# Altium PCB EL2086.PcbDoc (part 1 of 4) (continued)
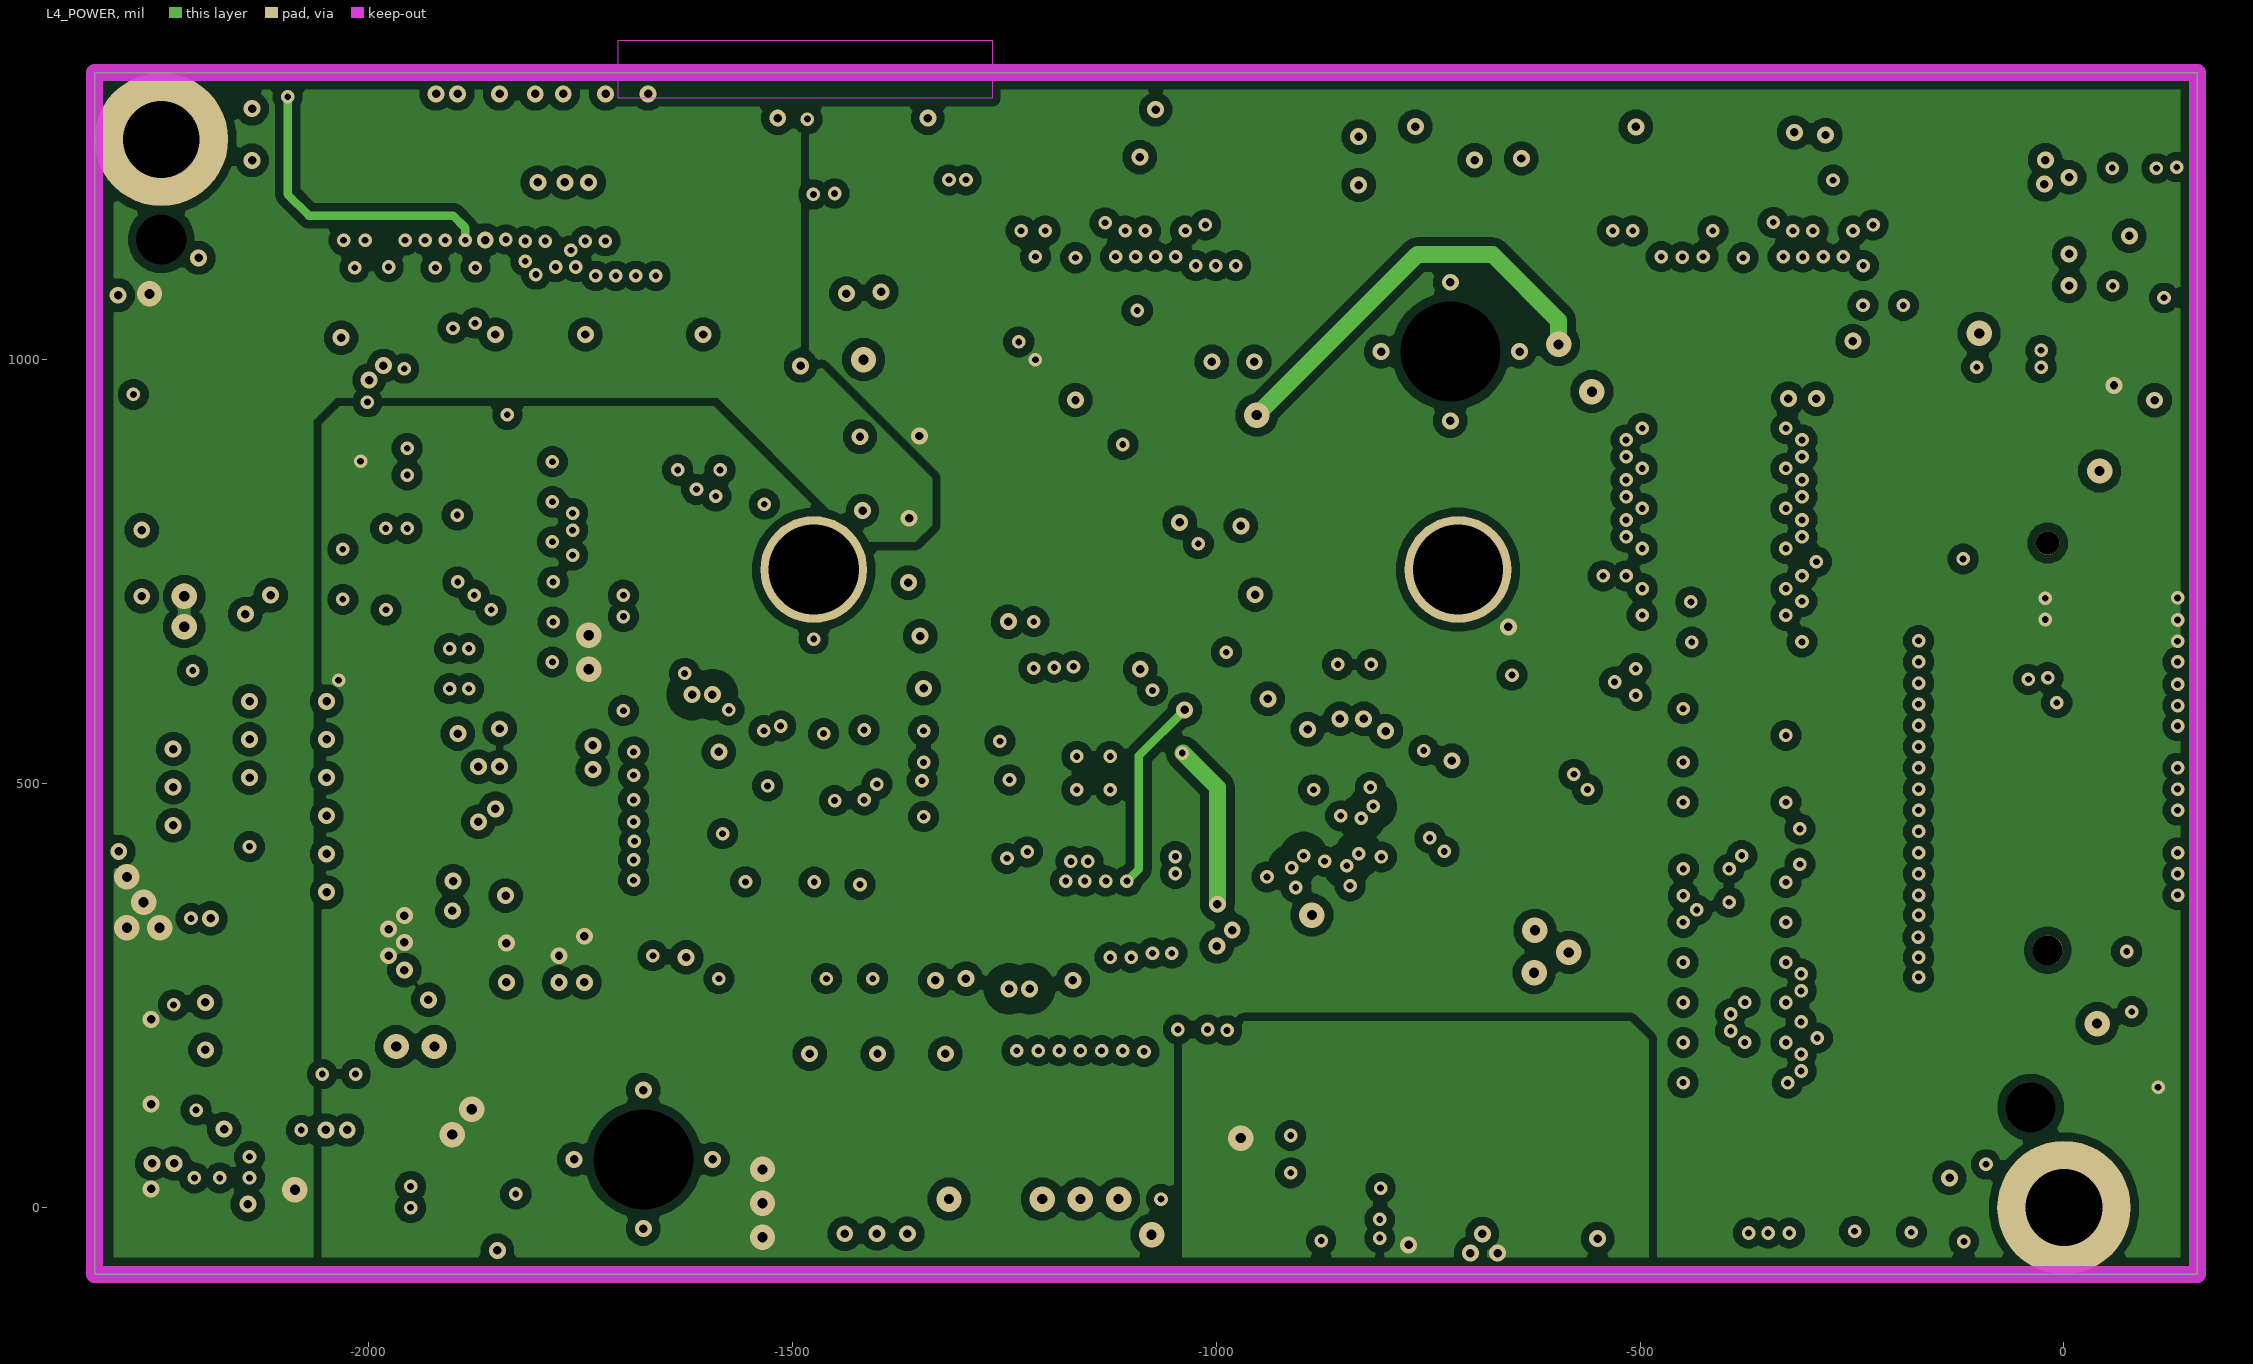
[diagram p4: L4_POWER]
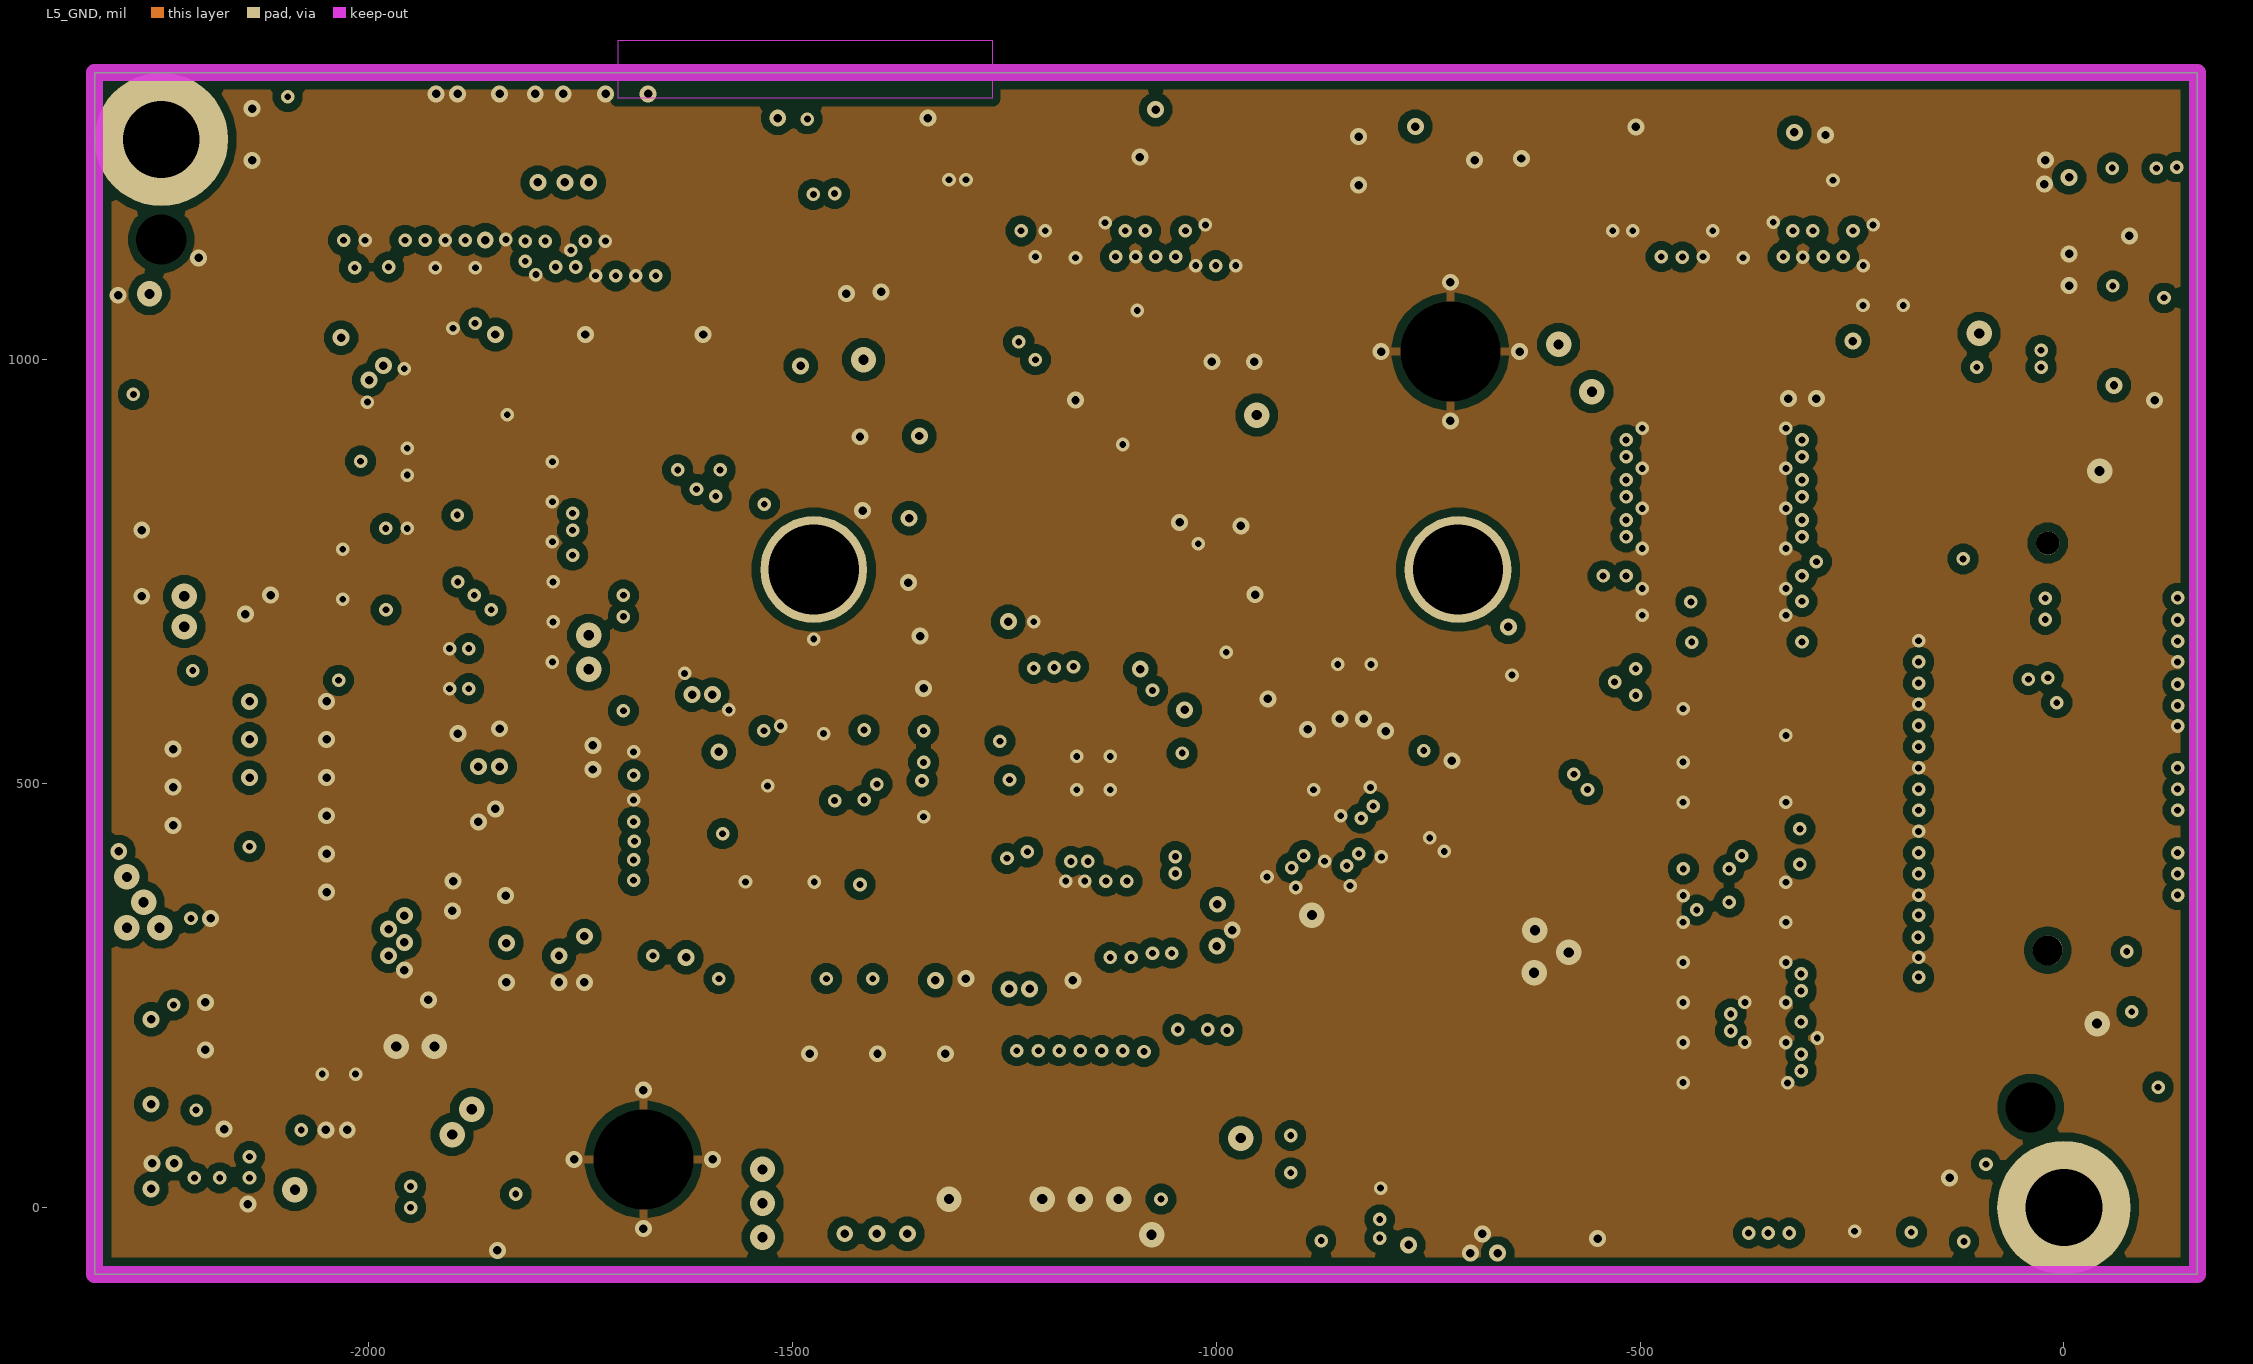
[diagram p5: L5_GND]

## Layer stack, top to bottom
Top Mask: solder mask 0.7, Solder Resist, Dk 3.8
L1_TOP: signal copper 1.4
Dielectric 1: prepreg 3, 2313, Dk 4.05
L2_GND: plane copper 1.3, net GND
Core 1: core 4, FR-4, Dk 4.5
L3_HS: signal copper 1.3
core3: prepreg 39.6, 2116, Dk 4.25
L4_POWER: signal copper 1.3
Core 2: core 4, FR-4, Dk 4.5
L5_GND: signal copper 1.3
Dielectric 3: prepreg 3, 2313, Dk 4.05
L6_BOT: signal copper 1.4
Bottom Mask: solder mask 0.7, Solder Resist, Dk 3.8

## Board outline
-2322.83,-78.74 157.48,-78.74 157.48,1338.58 -2322.83,1338.58

## Design rules (kind name [scope] priority, off if disabled: settings)
AssemblyTestPointUsage [All] p1: valid=2
BoardOutlineClearance [All] p1: gap=15 ignorepadtopadclearanceinfootprint=FALSE
Clearance BGA [WithinRoom('j6') or WithinRoom('j4') or WithinRoom('j10') or WithinRoom('J9') or WithinRoom('U2')  or WithinRoom('j7') or WithinRoom('j5') OR WithinRoom('U_BTB_CONN') OR WithinRoom('U_DOT_LED')OR WithinRoom('U_RIGHT_CCM') OR WithinRoom('U_TOF_VGA')] p1: gap=4 ignorepadtopadclearanceinfootprint=TRUE except(10: Arc-Fill Arc-Poly Arc-Region Track-Fill Track-Poly Track-Region SMDPad-Fill SMDPad-Poly SMDPad-Region THPad-Fill THPad-Poly THPad-Region Via-Fill Via-Poly Via-Region Fill-Fill Fill-Poly Fill-Region Poly-Poly Poly-Region Region-Region)
Clearance "DP to DP" [InAnyDifferentialPair vs InAnyDifferentialPair] p2: gap=20 ignorepadtopadclearanceinfootprint=TRUE
Clearance "DP to other" [InDifferentialPairClass('100ohm') or InDifferentialPairClass('85ohm') vs All and not  InNet('GND') and not InDifferentialPairClass('100ohm') and not InDifferentialPairClass('85ohm')] p3: gap=20 ignorepadtopadclearanceinfootprint=TRUE
Clearance general [All] p4: gap=4 ignorepadtopadclearanceinfootprint=FALSE except(10: Arc-Poly Track-Poly SMDPad-Poly THPad-Poly Via-Poly Fill-Poly Poly-Poly Poly-Region Poly-Text Poly-Hole)
ComponentClearance [All] p1: gap=0 collisioncheckmode=3 verticalgap=11.81 showdistances=FALSE
DiffPairsRouting 85ohm [InDifferentialPairClass('85ohm')] p1: maxlimit=10 minlimit=5 mostfreqgap=10 toplayer_mingap=8 toplayer_maxgap=8 toplayer_prefgap=8 toplayer_minwidth=5 toplayer_maxwidth=5 toplayer_prefwidth=5 midlayer1_mingap=8 midlayer1_maxgap=8 midlayer1_prefgap=8 midlayer1_minwidth=5.5 midlayer1_maxwidth=5.5 midlayer1_prefwidth=5.5 bottomlayer_mingap=8 bottomlayer_maxgap=8 bottomlayer_prefgap=8 bottomlayer_minwidth=5 bottomlayer_maxwidth=5 bottomlayer_prefwidth=5 impedanceprofiledriven=TRUE impedanceprofileid={B513F42C-BCD3-466E-B136-D8CB109C8AC8} impedanceprofilevalue=85.000000 maxuncoupledlength=500
DiffPairsRouting 90ohm [InDifferentialPairClass('USB3')] p2: maxlimit=10 minlimit=5 mostfreqgap=10 toplayer_mingap=8 toplayer_maxgap=8 toplayer_prefgap=8 toplayer_minwidth=3.5 toplayer_maxwidth=3.5 toplayer_prefwidth=3.5 midlayer1_mingap=9 midlayer1_maxgap=9 midlayer1_prefgap=9 midlayer1_minwidth=4 midlayer1_maxwidth=4 midlayer1_prefwidth=4 midlayer2_mingap=5.89 midlayer2_maxgap=5.89 midlayer2_prefgap=5.89 midlayer2_minwidth=5.17 midlayer2_maxwidth=5.17 midlayer2_prefwidth=5.17 midlayer3_minwidth=15 midlayer3_maxwidth=15 midlayer3_prefwidth=15 bottomlayer_mingap=8 bottomlayer_maxgap=8 bottomlayer_prefgap=8 bottomlayer_minwidth=3.5 bottomlayer_maxwidth=3.5 bottomlayer_prefwidth=3.5 maxuncoupledlength=500
DiffPairsRouting 100ohm [InDifferentialPairClass('100ohm')] p3: maxlimit=10.52 minlimit=5 mostfreqgap=10.52 toplayer_mingap=8 toplayer_maxgap=8 toplayer_prefgap=8 toplayer_minwidth=3.5 toplayer_maxwidth=3.5 toplayer_prefwidth=3.5 midlayer1_mingap=9 midlayer1_maxgap=9 midlayer1_prefgap=9 midlayer1_minwidth=4 midlayer1_maxwidth=4 midlayer1_prefwidth=4 bottomlayer_mingap=8 bottomlayer_maxgap=8 bottomlayer_prefgap=8 bottomlayer_minwidth=3.5 bottomlayer_maxwidth=3.5 bottomlayer_prefwidth=3.5 impedanceprofiledriven=TRUE impedanceprofileid={35D093FB-CFA7-4176-BF6F-0D9106C66AB8} impedanceprofilevalue=100.000000 maxuncoupledlength=500
FabricationTestPointUsage [All] p1: valid=2 allowmultiple=FALSE
HoleSize [All] p1: absolutevalues=TRUE maxlimit=150 minlimit=7.95 maxpercent=80.000 minpercent=20.000
HoleToHoleClearance [All] p1: gap=10 allowstackedmicrovias=FALSE
MatchedLengths ETH_GROUP [InNetClass('ETH')] p1: tolerance=1000 checknetsindiffpair=FALSE checkdiffpairvsdiffpair=TRUE checkxsignals=TRUE checkothers=TRUE usedelayunits=TRUE delaytolerance=50.000000
MatchedLengths DIFF_PAIR_100 [InDifferentialPairClass('All Differential Pairs')] p2: tolerance=1000 checknetsindiffpair=TRUE checkdiffpairvsdiffpair=FALSE checkxsignals=FALSE checkothers=FALSE usedelayunits=TRUE delaytolerance=1.000000
MatchedLengths USB [InxSignalClass('USB')] p3: tolerance=50 checknetsindiffpair=TRUE checkdiffpairvsdiffpair=FALSE checkxsignals=FALSE checkothers=FALSE usedelayunits=TRUE delaytolerance=1.000000
MatchedLengths PCIe_XSIG [InxSignalClass('XSIG_PCIe')] p4: tolerance=3.94 checknetsindiffpair=TRUE checkdiffpairvsdiffpair=FALSE checkxsignals=FALSE checkothers=FALSE usedelayunits=TRUE delaytolerance=0.500000
MatchedLengths SPI [InNetClass('QSPI')] p5: tolerance=1000 checknetsindiffpair=FALSE checkdiffpairvsdiffpair=TRUE checkxsignals=TRUE checkothers=TRUE usedelayunits=TRUE delaytolerance=10.000000
MatchedLengths SDIO [InNetClass('SDIO')] p6: tolerance=1000 checknetsindiffpair=FALSE checkdiffpairvsdiffpair=TRUE checkxsignals=TRUE checkothers=TRUE usedelayunits=TRUE delaytolerance=10.000000
MatchedLengths MIPI_A [InNetClass('MIPI_CAM_A')] p7: tolerance=1000 checknetsindiffpair=FALSE checkdiffpairvsdiffpair=TRUE checkxsignals=TRUE checkothers=TRUE usedelayunits=TRUE delaytolerance=1.000000
MatchedLengths MIPI_B [InNetClass('MIPI_CAM_B')] p8: tolerance=1000 checknetsindiffpair=FALSE checkdiffpairvsdiffpair=TRUE checkxsignals=TRUE checkothers=TRUE usedelayunits=TRUE delaytolerance=1.000000
MatchedLengths MIPI_C [InNetClass('MIPI_CAM_C')] p9: tolerance=1000 checknetsindiffpair=FALSE checkdiffpairvsdiffpair=TRUE checkxsignals=TRUE checkothers=TRUE usedelayunits=TRUE delaytolerance=1.000000
MinimumSolderMaskSliver USB3_Connector [HasFootprint('105450-0101')  OR HasFootprint('CX80B1-24P') OR HasFootprint('TPD4E02B04DQAR')  OR HasFootprint('RTL8111HX-CG')] p1: minsoldermaskwidth=0.1
MinimumSolderMaskSliver RTL8111 [HasFootprint('CX80B1-24P')] p2: minsoldermaskwidth=0.1
MinimumSolderMaskSliver [All] p3: minsoldermaskwidth=2
PlaneClearance [All] p1: clearance=10
PlaneConnect [All] p1: pad.planeconnectstyle=Relief pad.reliefexpansion=20 pad.reliefentries=4 pad.reliefconductorwidth=10 pad.reliefairgap=10 via.planeconnectstyle=Direct via.reliefexpansion=20 via.reliefentries=4 via.reliefconductorwidth=10 via.reliefairgap=10
PolygonConnect DirectConnect [InPolygonClass('DirectConnectPoly')] p1: connectstyle=Direct reliefconductorwidth=10 reliefentries=4 polygonreliefangle="90 Angle" airgapwidth=10
PolygonConnect OuterLayerGND_PolyClass [InPolygonClass('OuterLayerGND')] p2: thpad.connectstyle=Relief thpad.reliefconductorwidth=10 thpad.reliefentries=4 thpad.polygonreliefangle="90 Angle" thpad.airgapwidth=10 smdpad.connectstyle=Relief smdpad.reliefconductorwidth=10 smdpad.reliefentries=4 smdpad.polygonreliefangle="90 Angle" smdpad.airgapwidth=10 via.connectstyle=Direct via.reliefconductorwidth=10 via.reliefentries=4 via.polygonreliefangle="90 Angle" via.airgapwidth=10
PolygonConnect PoE_Poly [InPolygonClass('PoE_Poly')] p3: thpad.connectstyle=Direct thpad.reliefconductorwidth=10 thpad.reliefentries=4 thpad.polygonreliefangle="90 Angle" thpad.airgapwidth=10 smdpad.connectstyle=Relief smdpad.reliefconductorwidth=10 smdpad.reliefentries=4 smdpad.polygonreliefangle="90 Angle" smdpad.airgapwidth=10 via.connectstyle=Direct via.reliefconductorwidth=10 via.reliefentries=4 via.polygonreliefangle="90 Angle" via.airgapwidth=10
PolygonConnect Default [All] p4: thpad.connectstyle=Relief thpad.reliefconductorwidth=10 thpad.reliefentries=4 thpad.polygonreliefangle="90 Angle" thpad.airgapwidth=10 smdpad.connectstyle=Relief smdpad.reliefconductorwidth=10 smdpad.reliefentries=4 smdpad.polygonreliefangle="90 Angle" smdpad.airgapwidth=10 via.connectstyle=Direct via.reliefconductorwidth=10 via.reliefentries=4 via.polygonreliefangle="90 Angle" via.airgapwidth=10
RoomDefinition J5 [InComponentClass('Room Definition3') vs False] p1: confinementstyle=ConfineIn formatcopy=TRUE lockcomponents=FALSE outline -2025,-62.65 -2025,1127.74 -1740,1127.74 -1740,-62.65
RoomDefinition J6 [InComponentClass('Room Definition2') vs False] p2: confinementstyle=ConfineIn formatcopy=TRUE lockcomponents=FALSE outline -614.96,1046 -614.96,1212.51 -94.66,1212.51 -94.66,1046
RoomDefinition J4 [InComponentClass('Room Definition1') vs False] p3: confinementstyle=ConfineIn formatcopy=TRUE lockcomponents=FALSE outline -528,108 -528,977 -210.6,977 -210.6,108
RoomDefinition U_BTB_CONN [InComponentClass('U_BTB_CONN')] p4: confinementstyle=ConfineIn formatcopy=TRUE lockcomponents=FALSE outline -197,76.06 -197,1011.1 159,1011.1 159,76.06
RoomDefinition U_DOT_LED [InComponentClass('U_DOT_LED')] p5: confinementstyle=ConfineIn formatcopy=TRUE lockcomponents=FALSE outline -2110,1025 -2110,1299 -1605,1299 -1605,1025
RoomDefinition U_TOF_VGA [InComponentClass('U_TOF_VGA')] p6: confinementstyle=ConfineIn formatcopy=TRUE lockcomponents=FALSE outline -1364,297 -1364,605.93 -953,605.93 -953,297
RoomDefinition U_RIGHT_CCM [InComponentClass('U_RIGHT_CCM')] p7: confinementstyle=ConfineIn formatcopy=TRUE lockcomponents=FALSE outline -1370,1070 -1370,1203 -916,1203 -916,1070
RoutingVias [All] p1: holewidth=10 width=20 viastyle="Through Hole" minholewidth=8 minwidth=16 maxholewidth=12 maxwidth=30 viatemplateguid#1={046DA2B4-C988-4937-9ECA-04D63B0C1CE8} viatemplatename#1=v41h20m0mx0
SilkToSilkClearance [All] p1: silktosilkclearance=3
SilkToSolderMaskClearance SilkscreenOverComponentException [InComponent('U15')] p1: minsilkscreentomaskgap=2 clearancetoexposedcopper=TRUE
SilkToSolderMaskClearance SilkscreenOverComponentPads [IsPad] p2: minsilkscreentomaskgap=2 clearancetoexposedcopper=TRUE
SolderMaskExpansion via [IsVia] p1: expansion=4 istentingtop=TRUE
SolderMaskExpansion [All] p2: expansion=2 istentingtop=FALSE
UnRoutedNet [All] p1: checkbadconnections=TRUE
Width [All] p1: maxlimit=100 minlimit=4 preferedwidth=5 toplayer_minwidth=4.3 toplayer_maxwidth=40 toplayer_prefwidth=4.3 midlayer1_minwidth=4.5 midlayer1_maxwidth=40 midlayer1_prefwidth=4.5 midlayer2_minwidth=4.5 midlayer2_maxwidth=40 midlayer2_prefwidth=4.5 bottomlayer_minwidth=4.3 bottomlayer_maxwidth=40 bottomlayer_prefwidth=4.3 impedanceprofiledriven=TRUE impedanceprofileid={6465A33B-7717-40B3-8321-65C71AD97F21} impedanceprofilevalue=50.000000 minimp=50.000000 maximp=50.000000 favimp=50.000000
18 further rules are at their usual default settings.

## Classes and differential pairs
component class "Room Definition3": J5
component class "Room Definition2": J6
component class "Room Definition1": J4
net class USB2: USB_D_N USB_D_P
net class MIPI: MIPI_RX2_C_N MIPI_RX2_C_P MIPI_RX2_D0_N MIPI_RX2_D0_P MIPI_RX2_D1_N MIPI_RX2_D1_P MIPI_RX3_C_N MIPI_RX3_C_P MIPI_RX3_D0_N MIPI_RX3_D0_P MIPI_RX3_D1_N MIPI_RX3_D1_P MIPI_RX4_C_N MIPI_RX4_C_P MIPI_RX4_D0_N MIPI_RX4_D0_P MIPI_RX4_D1_N MIPI_RX4_D1_P MIPI_RX5_D0_N MIPI_RX5_D0_P MIPI_RX5_D1_N MIPI_RX5_D1_P
component class U_BTB_CONN: J7
component class U_EEPROM: C2 R29 R30 R31 R32 R33 R34 R35 TP2 U1
component class U_POWER_GEN: C40 C41 C42 C43 C44 C45 C46 C47 C48 C49 C80 C100 C101 C102 C103 C104 L2 L3 L6 R64 R65 R66 R67 R68 R69 R70 R71 R76 R124 R125 R126 R127 TP3 TP5 TP14 TP18 TP19 TP35 U7 U8 U9 U10 U22
component class U_CONNECTOR_B: C38 C39 C50 J5 R11 R12 R13 R14 R15 R16 R17 R18 R19 R20 R21 R22 R23 R24 R25 R26 R27 R28 R60 R74 R75 R80 R108 R113 R114 SW3 U6 U12 U13
net class PWR: 1V2 1V2_L 1V2_R 1V8 1V8_L 1V8_R 2V8 2V8_L 2V8_R 3V3 3V3_TOF 3V3_VCSEL LED1 LED2 VDD_5V
component class U_ETH_PCIE_CTRL: C3 C4 C5 C6 C7 C8 C9 C10 C11 C12 C13 C14 C15 C16 C17 C18 C19 C20 C21 C22 D4 D18 D19 L1 Q6 R8 R36 R37 R38 R39 R40 R41 R42 R43 R44 R45 R46 R56 R57 U2 U3 X1
component class U_TOF_VGA: C56 C57 C58 C59 C60 C61 C62 C63 C64 C65 C66 C67 FB4 J9 R63 R93 R94 R95 R96 R97 TP20
component class U_DOT_LED: C77 C78 C81 C82 C83 D7 D8 L4 R77 R78 R79 R128 TP4 TP6 TP7 U11
component class U_LEFT_CCM: C32 C33 C34 C35 C36 C37 FB2 FB3 J6 R51 R52 R53 R54 R58 R59 R61 R62 TP13
component class U_IMU: C23 C24 C25 C26 C27 C28 C29 C30 C31 R47 R48 R49 R50 TP10 TP11 TP12 U4 U5 Y1
component class U_RIGHT_CCM: C105 C106 C107 C108 C109 C110 FB1 FB5 J10 R55 R120 R121 R122 R123 R129 R130 R131 TP23
component class U_BOOT_JTAG_AUX: C1 D1 D2 D3 J1 J2 J3 Q1 Q2 Q4 Q5 R1 R2 R3 R4 R5 R6 R7 TP24 TP25 TP36 TP37
net class PCIe: CLK_N CLK_P SDS_CLK_N SDS_CLK_P SDS_RXD1_N SDS_RXD1_P SDS_RXD_N SDS_RXD_P SDS_TXD_N SDS_TXD_P
polygon class PoE_Poly: VNEG_IN_L01_P432 VNEG_L01_P434 VNEG_L04_P456 VPOS_IN_L01_P431
polygon class DirectConnectPoly: 1V8_L01_P021 3V3_L06_P017 3V3_TOF_L01_P005 3V3_VCSEL_L06_P002 3V3_VCSEL_L06_P004 5V_LED_L01_P010 GND_L01_P011 GND_L01_P026 GND_L01_P027 GND_L06_P007 LED1_L01_P009 LED2_L01_P008 NETC46_2_L06_P015 NETC49_2_L06_P022 NETC101_2_L06_P006 NETL2_1_L06_P016 NETL3_1_L06_P001 NETL6_1_L06_P020 VDD_5V_L06_P014 VDD_5V_L06_P019
component class TopLevel: FID1 FID2 FID3 FID4 MTG1 MTG2
differential pair class 85ohm: USB_D
net class SDIO: GPIO7/sd_hst_cd sd_hst0_clk sd_hst0_cmd sd_hst0_dat_0 sd_hst0_dat_1 sd_hst0_dat_2 sd_hst0_dat_3
net class MIPI_CAM_C: MIPI_RX3_C_N MIPI_RX3_C_P MIPI_RX3_D0_N MIPI_RX3_D0_P MIPI_RX3_D1_N MIPI_RX3_D1_P
net class MIPI_CAM_B: MIPI_RX2_C_N MIPI_RX2_C_P MIPI_RX2_D0_N MIPI_RX2_D0_P MIPI_RX2_D1_N MIPI_RX2_D1_P
net class MIPI_CAM_A: MIPI_RX4_C_N MIPI_RX4_C_P MIPI_RX4_D0_N MIPI_RX4_D0_P MIPI_RX4_D1_N MIPI_RX4_D1_P
differential pair class 100ohm: BRIDGE_REFCLK BRIDGE_REFCLK1 CLK MD1 MD1_1 MD2 MD2_1 MD3 MD3_1 MD4 MD4_1 MIPI_RX2_C MIPI_RX2_D0 MIPI_RX2_D1 MIPI_RX3_C MIPI_RX3_D0 MIPI_RX3_D1 MIPI_RX4_C MIPI_RX4_D0 MIPI_RX4_D1 MIPI_RX5_D0 MIPI_RX5_D1 SDS_CLK SDS_IO_CLKI SDS_IO_CLKI1 SDS_RXD SDS_RXD1 SDS_TXD TX1 TX2 TX3 TX4
component class U_CONNECTOR_A: B1 J4 R9 R10 R72 R73 R107 SW1 SW2 TP1
net class ETH: MD1_N MD1_P MD2_N MD2_P MD3_N MD3_P MD4_N MD4_P
differential pair SDS_CLK: +SDS_CLK_P -SDS_CLK_N
differential pair CLK: +CLK_P -CLK_N
differential pair SDS_RXD1: +SDS_RXD1_P -SDS_RXD1_N
differential pair USB_D: +USB_D_P -USB_D_N
differential pair SDS_TXD: +SDS_TXD_P -SDS_TXD_N
differential pair SDS_RXD: +SDS_RXD_P -SDS_RXD_N
differential pair MIPI_RX5_D1: +MIPI_RX5_D1_P -MIPI_RX5_D1_N
differential pair MIPI_RX5_D0: +MIPI_RX5_D0_P -MIPI_RX5_D0_N
differential pair MIPI_RX4_D1: +MIPI_RX4_D1_P -MIPI_RX4_D1_N
differential pair MIPI_RX4_D0: +MIPI_RX4_D0_P -MIPI_RX4_D0_N
differential pair MIPI_RX4_C: +MIPI_RX4_C_P -MIPI_RX4_C_N
differential pair MIPI_RX3_D1: +MIPI_RX3_D1_P -MIPI_RX3_D1_N
differential pair MIPI_RX3_D0: +MIPI_RX3_D0_P -MIPI_RX3_D0_N
differential pair MIPI_RX3_C: +MIPI_RX3_C_P -MIPI_RX3_C_N
differential pair MIPI_RX2_D1: +MIPI_RX2_D1_P -MIPI_RX2_D1_N
differential pair MIPI_RX2_D0: +MIPI_RX2_D0_P -MIPI_RX2_D0_N
differential pair MIPI_RX2_C: +MIPI_RX2_C_P -MIPI_RX2_C_N
differential pair MD4: +MD4_P -MD4_N
differential pair MD3: +MD3_P -MD3_N
differential pair MD2: +MD2_P -MD2_N
differential pair MD1: +MD1_P -MD1_N

## Components (designator, comment, footprint, x,y, rotation, side; value= is the part's Value field where it differs from the comment)
B1 "TL3780AF240QG" TL3780AF240QG-Footprint-1 -335,-5 r180 bottom
C1 "GRM188R61C475KAAJD" CAPC0603(1608)100_N -2145.57,-31.58 r180 bottom value=4.7µF
C2 "CL05B104KO5NFNC" CAPC0402(1005)60_N -1784.99,545 r180 top value=100nF
C3 "GRM188R61C475KAAJD" CAPC0603(1608)100_N -1389.57,642.42 r270 top value=4.7µF
C4 "CL05B104KO5NFNC" CAPC0402(1005)60_N -988.01,600 r180 bottom value=100nF
C5 "GRM188R61C475KAAJD" CAPC0603(1608)100_N -1169.57,872.42 r180 bottom value=4.7µF
C6 "CL05B104KO5NFNC" CAPC0402(1005)60_N -1388,755.14 r90 bottom value=100nF
C7 "GRM188R61C475KAAJD" CAPC0603(1608)100_N -1104.57,347.42 r0 top value=4.7µF
C8 "GRM188R61C475KAAJD" CAPC0603(1608)100_N -974.57,547.42 r180 top value=4.7µF
C9 "GRM155R61E105KA12D" CAPC0402(1005)70_N -1169.57,817.42 r180 bottom value=1µF
C10 "GRM155R61E105KA12D" CAPC0402(1005)70_N -1025,345 r90 bottom value=1µF
C11 "CL05B104KO5NFNC" CAPC0402(1005)60_N -1080,343.48 r90 bottom value=100nF
C12 "CL05B104KO5NFNC" CAPC0402(1005)60_N -1299.57,612.42 r0 bottom value=100nF
C13 "CL05B104KO5NFNC" CAPC0402(1005)60_N -985,415 r180 bottom value=100nF
C14 "CL05B104KO5NFNC" CAPC0402(1005)60_N -985,492.74 r180 top value=100nF
C15 "CL05B104KO5NFNC" CAPC0402(1005)60_N -1032.28,655 r180 bottom value=100nF
C16 "CL05B104KO5NFNC" CAPC0402(1005)60_N -1210.46,557.09 r180 top value=100nF
C17 "CL05B104KO5NFNC" CAPC0402(1005)60_N -1299.57,412.42 r180 bottom value=100nF
C18 "CL05B104KO5NFNC" CAPC0402(1005)60_N -1299.57,467.42 r180 bottom value=100nF
C19 "CL05B104KO5NFNC" CAPC0402(1005)60_N -984.83,443 r180 top value=100nF
C20 "CL05B104KO5NFNC" CAPC0402(1005)60_N -1289.57,452.42 r0 top value=100nF
C21 "C0402C270J5GACTU" CAPC0402(1005)60_N -1214.57,737.42 r90 bottom value=27pF
C22 "C0402C270J5GACTU" CAPC0402(1005)60_N -1019.57,737.42 r270 bottom value=27pF
C23 "GRM155R60J106ME15D" CAPC0402(1005)70_N -1644.57,480.75 r0 top value=10µF
C24 "CL05B104KO5NFNC" CAPC0402(1005)60_N -1644.57,537.42 r0 top value=100nF
C25 "GRM155R60J106ME15D" CAPC0402(1005)70_N -1555,425 r90 bottom value=10µF
C26 "CL05B104KO5NFNC" CAPC0402(1005)60_N -1555,515 r90 bottom value=100nF
C27 "CL05B104KO5NFNC" CAPC0402(1005)60_N -1544.57,327.42 r180 top value=100nF
C28 "GRM0335C1E180FA01D" CAPC0201(0603)33_L -1447.83,670.42 r0 top value=18pF
C29 "GRM0335C1E180FA01D" CAPC0201(0603)33_L -1501.57,670.42 r180 top value=18pF
C30 "CL05B104KO5NFNC" CAPC0402(1005)60_N 23.72,1062 r0 top value=100nF
C31 "CL05B104KO5NFNC" CAPC0402(1005)60_N 5,1169 r90 top value=100nF
C32 "GRM155R60J106ME15D" CAPC0402(1005)70_N -325,1005 r90 bottom value=10µF
C33 "CL05B104KO5NFNC" CAPC0402(1005)60_N -275,1005 r90 bottom value=100nF
C34 "GRM155R60J106ME15D" CAPC0402(1005)70_N -695,1184.95 r270 top value=10µF
C35 "CL05B104KO5NFNC" CAPC0402(1005)60_N -640,1184.95 r270 top value=100nF
C36 "GRM155R60J106ME15D" CAPC0402(1005)70_N -65,1185.13 r180 top value=10µF
C37 "CL05B104KO5NFNC" CAPC0402(1005)60_N -65,1235.45 r180 top value=100nF